# Altium PCB amp.PcbDoc (part 4 of 20)
Units mm, origin at the board's own origin, x right, y up, seen from the top; angles counter-clockwise.
Board outline 210 x 210 mm, 2 copper layers (Top Layer, Bottom Layer); 742 components, 1354 nets, 6402 pads, 5154 vias.
Unrouted connection lines stored in the file: 702.
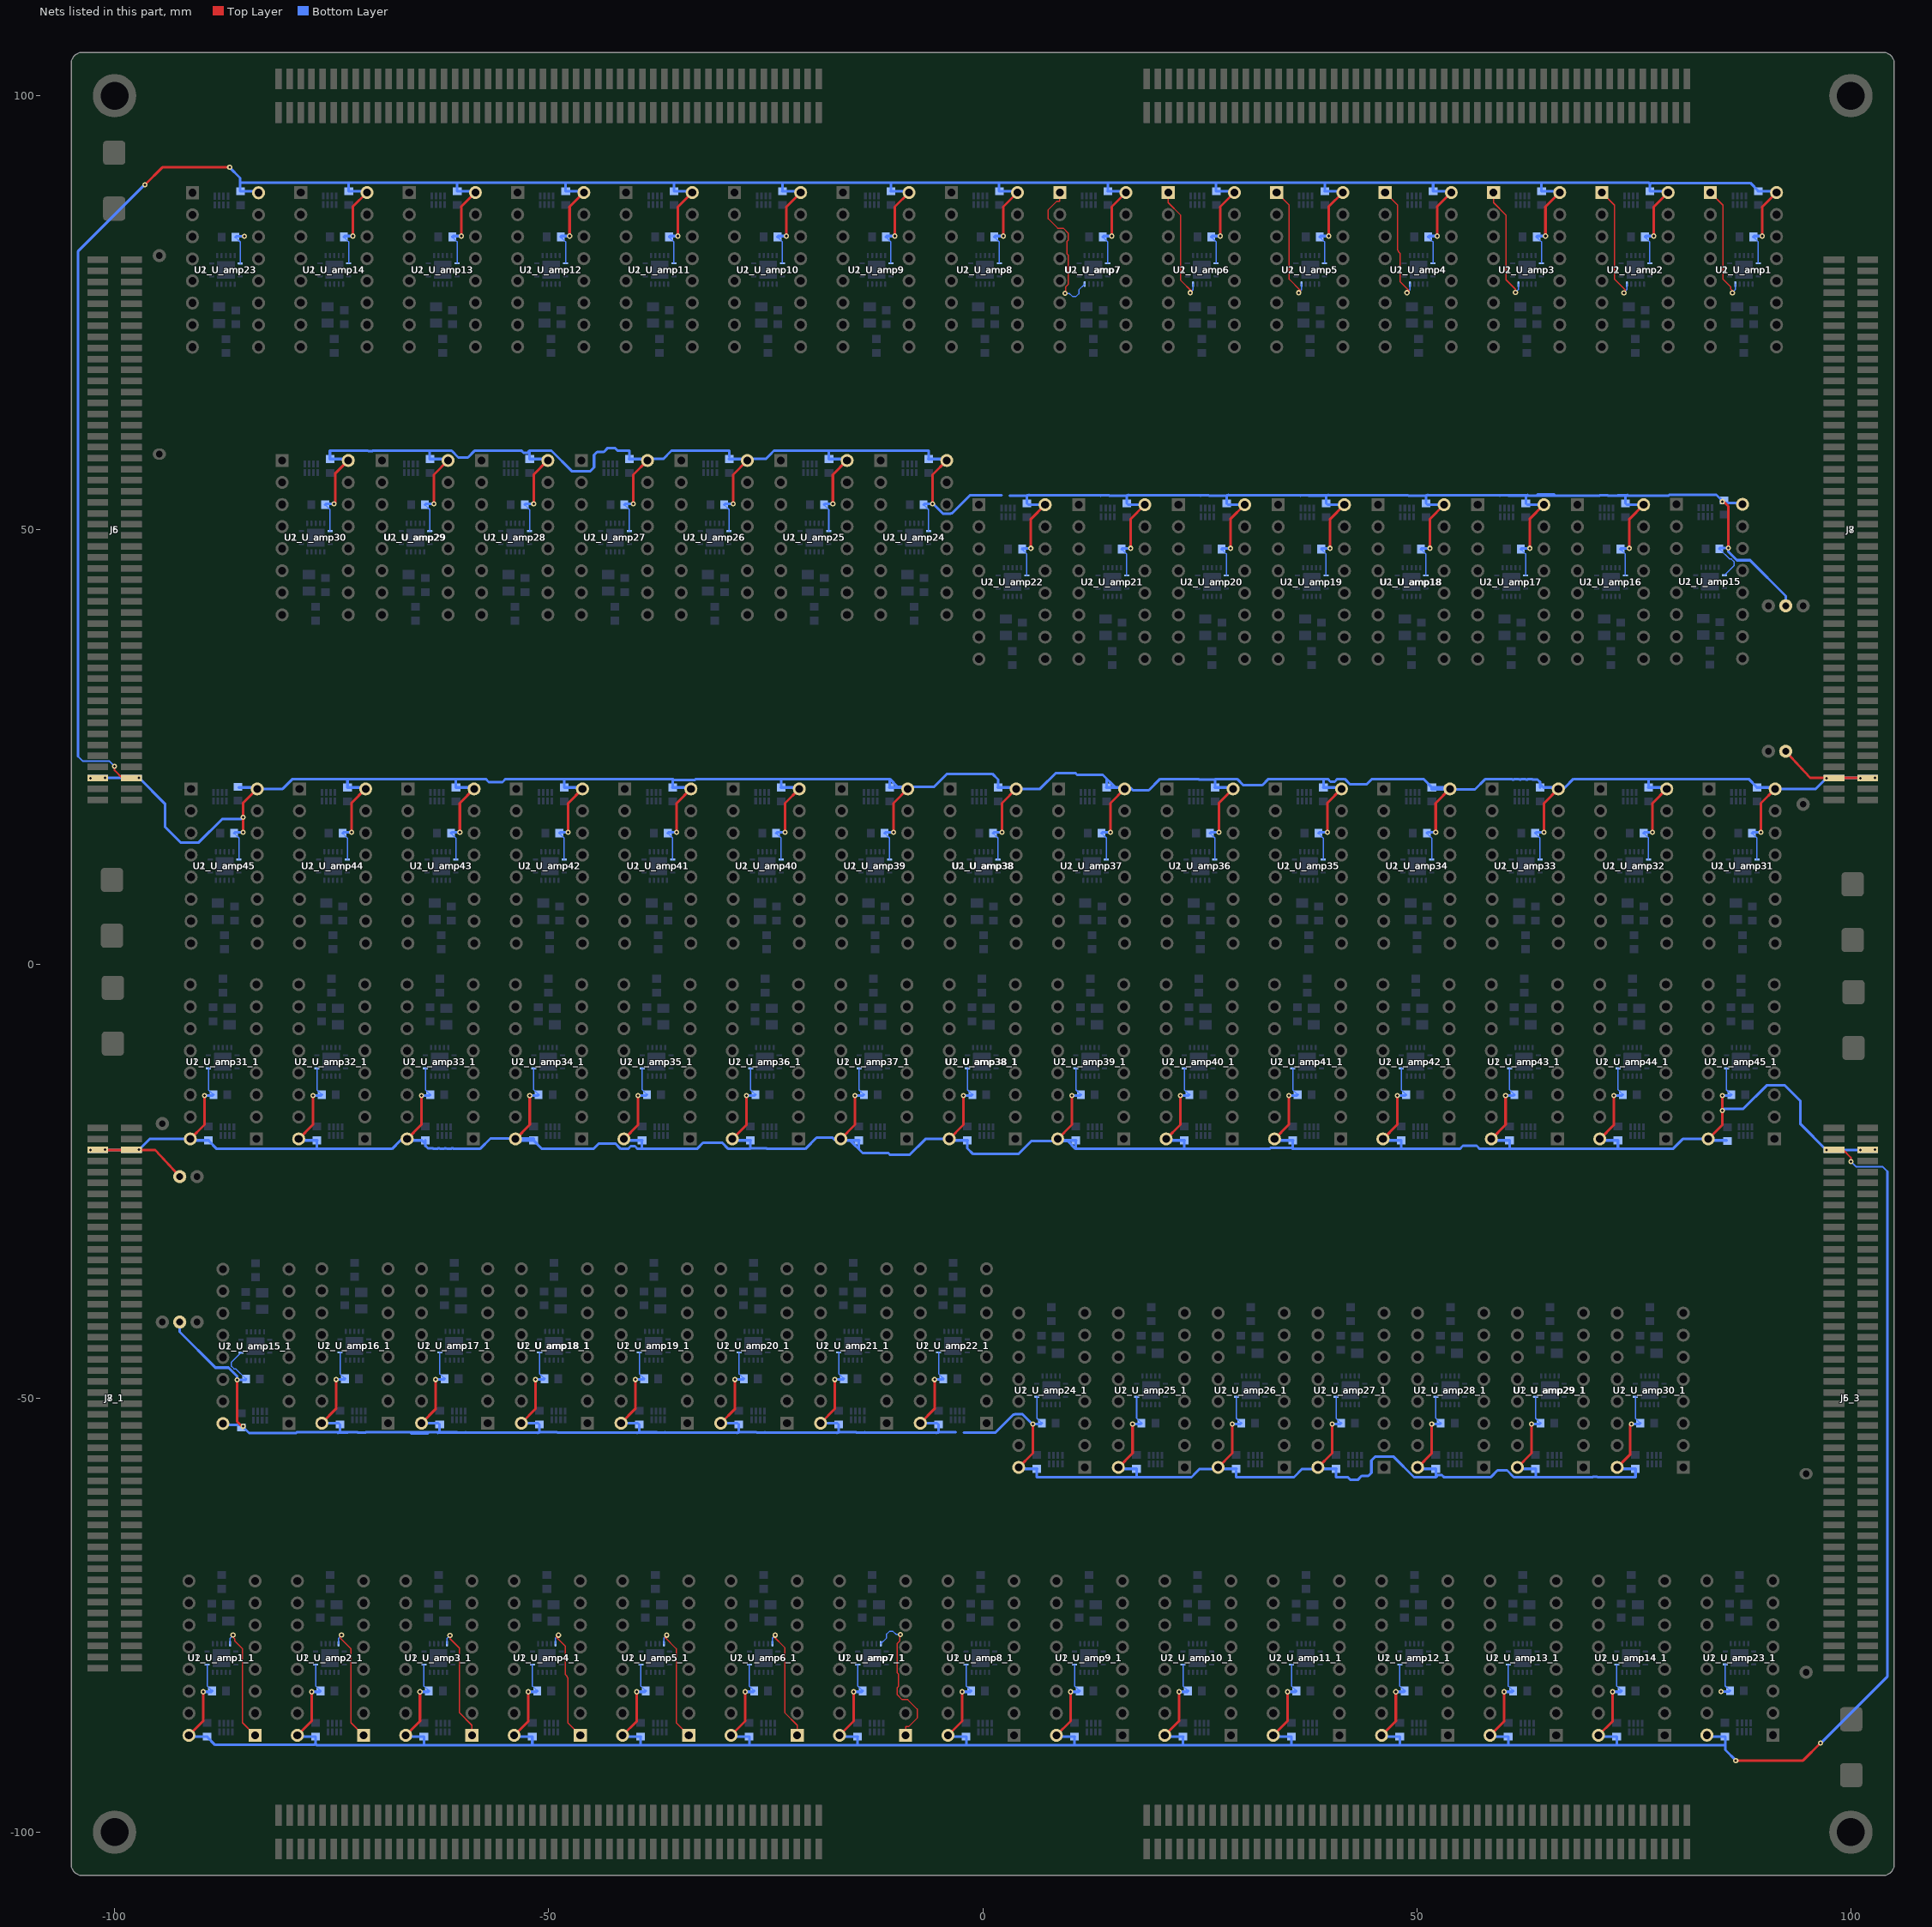
[diagram p4: the nets of this part, all layers, seen from the top]

## Via types
v1: diameter 0.6, hole 0.3, Top Layer to Bottom Layer, tented both sides, 4704 vias
v2: diameter 0.5, hole 0.3, Top Layer to Bottom Layer, 450 vias

## Nets (pads, with @x,y where several pads share a name; then routed paths per layer and width w, separated by ;. In a path a pad name is that pad's centre, name@x,y a point inside that pad or via, vN(x,y) a via of type N, cw(c..) or ccw(c..) an arc to the next point about the centre after c; other vN are vias at no path point) (continued)
5V: C1_U_amp1.2 C1_U_amp1_1.2 C1_U_amp2.2 C1_U_amp2_1.2 C1_U_amp3.2 C1_U_amp3_1.2 C1_U_amp4.2 C1_U_amp4_1.2 C1_U_amp5.2 C1_U_amp5_1.2 C1_U_amp6.2 C1_U_amp6_1.2 C1_U_amp7.2 C1_U_amp7_1.2 C1_U_amp8.2 C1_U_amp8_1.2 C1_U_amp9.2 C1_U_amp9_1.2 C1_U_amp10.2 C1_U_amp10_1.2 C1_U_amp11.2 C1_U_amp11_1.2 C1_U_amp12.2 C1_U_amp12_1.2 C1_U_amp13.2 C1_U_amp13_1.2 C1_U_amp14.2 C1_U_amp14_1.2 C1_U_amp15.2 C1_U_amp15_1.2 C1_U_amp16.2 C1_U_amp16_1.2 C1_U_amp17.2 C1_U_amp17_1.2 C1_U_amp18.2 C1_U_amp18_1.2 C1_U_amp19.2 C1_U_amp19_1.2 C1_U_amp20.2 C1_U_amp20_1.2 C1_U_amp21.2 C1_U_amp21_1.2 C1_U_amp22.2 C1_U_amp22_1.2 C1_U_amp23.2 C1_U_amp23_1.2 C1_U_amp24.2 C1_U_amp24_1.2 C1_U_amp25.2 C1_U_amp25_1.2 C1_U_amp26.2 C1_U_amp26_1.2 C1_U_amp27.2 C1_U_amp27_1.2 C1_U_amp28.2 C1_U_amp28_1.2 C1_U_amp29.2 C1_U_amp29_1.2 C1_U_amp30.2 C1_U_amp30_1.2 C1_U_amp31.2 C1_U_amp31_1.2 C1_U_amp32.2 C1_U_amp32_1.2 C1_U_amp33.2 C1_U_amp33_1.2 C1_U_amp34.2 C1_U_amp34_1.2 C1_U_amp35.2 C1_U_amp35_1.2 C1_U_amp36.2 C1_U_amp36_1.2 C1_U_amp37.2 C1_U_amp37_1.2 C1_U_amp38.2 C1_U_amp38_1.2 C1_U_amp39.2 C1_U_amp39_1.2 C1_U_amp40.2 C1_U_amp40_1.2 C1_U_amp41.2 C1_U_amp41_1.2 C1_U_amp42.2 C1_U_amp42_1.2 C1_U_amp43.2 C1_U_amp43_1.2 C1_U_amp44.2 C1_U_amp44_1.2 C1_U_amp45.2 C1_U_amp45_1.2 C2_U_amp1.2 C2_U_amp1_1.2 C2_U_amp2.2 C2_U_amp2_1.2 C2_U_amp3.2 C2_U_amp3_1.2 C2_U_amp4.2 C2_U_amp4_1.2 C2_U_amp5.2 C2_U_amp5_1.2 C2_U_amp6.2 C2_U_amp6_1.2 C2_U_amp7.2 C2_U_amp7_1.2 C2_U_amp8.2 C2_U_amp8_1.2 C2_U_amp9.2 C2_U_amp9_1.2 C2_U_amp10.2 C2_U_amp10_1.2 C2_U_amp11.2 C2_U_amp11_1.2 C2_U_amp12.2 C2_U_amp12_1.2 C2_U_amp13.2 C2_U_amp13_1.2 C2_U_amp14.2 C2_U_amp14_1.2 C2_U_amp15.2 C2_U_amp15_1.2 C2_U_amp16.2 C2_U_amp16_1.2 C2_U_amp17.2 C2_U_amp17_1.2 C2_U_amp18.2 C2_U_amp18_1.2 C2_U_amp19.2 C2_U_amp19_1.2 C2_U_amp20.2 C2_U_amp20_1.2 C2_U_amp21.2 C2_U_amp21_1.2 C2_U_amp22.2 C2_U_amp22_1.2 C2_U_amp23.2 C2_U_amp23_1.2 C2_U_amp24.2 C2_U_amp24_1.2 C2_U_amp25.2 C2_U_amp25_1.2 C2_U_amp26.2 C2_U_amp26_1.2 C2_U_amp27.2 C2_U_amp27_1.2 C2_U_amp28.2 C2_U_amp28_1.2 C2_U_amp29.2 C2_U_amp29_1.2 C2_U_amp30.2 C2_U_amp30_1.2 C2_U_amp31.2 C2_U_amp31_1.2 C2_U_amp32.2 C2_U_amp32_1.2 C2_U_amp33.2 C2_U_amp33_1.2 C2_U_amp34.2 C2_U_amp34_1.2 C2_U_amp35.2 C2_U_amp35_1.2 C2_U_amp36.2 C2_U_amp36_1.2 C2_U_amp37.2 C2_U_amp37_1.2 C2_U_amp38.2 C2_U_amp38_1.2 C2_U_amp39.2 C2_U_amp39_1.2 C2_U_amp40.2 C2_U_amp40_1.2 C2_U_amp41.2 C2_U_amp41_1.2 C2_U_amp42.2 C2_U_amp42_1.2 C2_U_amp43.2 C2_U_amp43_1.2 C2_U_amp44.2 C2_U_amp44_1.2 C2_U_amp45.2 C2_U_amp45_1.2 J5.5 J5.6 J5_3.5 J5_3.6 J6.5 J6.6 J6_3.5 J6_3.6 J7.5 J7.6 J7_1.5 J7_1.6 J8.5 J8.6 J8_1.5 J8_1.6 pad.2@92.5,41.25 pad.2@-92.5,-41.25 pad.3@92.5,24.5 pad.3@-92.5,-24.5 U1_U_amp1.14 U1_U_amp1_1.14 U1_U_amp2.14 U1_U_amp2_1.14 U1_U_amp3.14 U1_U_amp3_1.14 U1_U_amp4.14 U1_U_amp4_1.14 U1_U_amp5.14 U1_U_amp5_1.14 U1_U_amp6.14 U1_U_amp6_1.14 U1_U_amp7.14 U1_U_amp7_1.14 U1_U_amp8.14 U1_U_amp8_1.14 U1_U_amp9.14 U1_U_amp9_1.14 U1_U_amp10.14 U1_U_amp10_1.14 U1_U_amp11.14 U1_U_amp11_1.14 U1_U_amp12.14 U1_U_amp12_1.14 U1_U_amp13.14 U1_U_amp13_1.14 U1_U_amp14.14 U1_U_amp14_1.14 U1_U_amp15.14 U1_U_amp15_1.14 U1_U_amp16.14 U1_U_amp16_1.14 U1_U_amp17.14 U1_U_amp17_1.14 U1_U_amp18.14 U1_U_amp18_1.14 U1_U_amp19.14 U1_U_amp19_1.14 U1_U_amp20.14 U1_U_amp20_1.14 U1_U_amp21.14 U1_U_amp21_1.14 U1_U_amp22.14 U1_U_amp22_1.14 U1_U_amp23.14 U1_U_amp23_1.14 U1_U_amp24.14 U1_U_amp24_1.14 U1_U_amp25.14 U1_U_amp25_1.14 U1_U_amp26.14 U1_U_amp26_1.14 U1_U_amp27.14 U1_U_amp27_1.14 U1_U_amp28.14 U1_U_amp28_1.14 U1_U_amp29.14 U1_U_amp29_1.14 U1_U_amp30.14 U1_U_amp30_1.14 U1_U_amp31.14 U1_U_amp31_1.14 U1_U_amp32.14 U1_U_amp32_1.14 U1_U_amp33.14 U1_U_amp33_1.14 U1_U_amp34.14 U1_U_amp34_1.14 U1_U_amp35.14 U1_U_amp35_1.14 U1_U_amp36.14 U1_U_amp36_1.14 U1_U_amp37.14 U1_U_amp37_1.14 U1_U_amp38.14 U1_U_amp38_1.14 U1_U_amp39.14 U1_U_amp39_1.14 U1_U_amp40.14 U1_U_amp40_1.14 U1_U_amp41.14 U1_U_amp41_1.14 U1_U_amp42.14 U1_U_amp42_1.14 U1_U_amp43.14 U1_U_amp43_1.14 U1_U_amp44.14 U1_U_amp44_1.14 U1_U_amp45.14 U1_U_amp45_1.14 U2_U_amp1.16 U2_U_amp1_1.16 U2_U_amp2.16 U2_U_amp2_1.16 U2_U_amp3.16 U2_U_amp3_1.16 U2_U_amp4.16 U2_U_amp4_1.16 U2_U_amp5.16 U2_U_amp5_1.16 U2_U_amp6.16 U2_U_amp6_1.16 U2_U_amp7.16 U2_U_amp7_1.16 U2_U_amp8.16 U2_U_amp8_1.16 U2_U_amp9.16 U2_U_amp9_1.16 U2_U_amp10.16 U2_U_amp10_1.16 U2_U_amp11.16 U2_U_amp11_1.16 U2_U_amp12.16 U2_U_amp12_1.16 U2_U_amp13.16 U2_U_amp13_1.16 U2_U_amp14.16 U2_U_amp14_1.16 U2_U_amp15.16 U2_U_amp15_1.16 U2_U_amp16.16 U2_U_amp16_1.16 U2_U_amp17.16 U2_U_amp17_1.16 U2_U_amp18.16 U2_U_amp18_1.16 U2_U_amp19.16 U2_U_amp19_1.16 U2_U_amp20.16 U2_U_amp20_1.16 U2_U_amp21.16 U2_U_amp21_1.16 U2_U_amp22.16 U2_U_amp22_1.16 U2_U_amp23.16 U2_U_amp23_1.16 U2_U_amp24.16 U2_U_amp24_1.16 U2_U_amp25.16 U2_U_amp25_1.16 U2_U_amp26.16 U2_U_amp26_1.16 U2_U_amp27.16 U2_U_amp27_1.16 U2_U_amp28.16 U2_U_amp28_1.16 U2_U_amp29.16 U2_U_amp29_1.16 U2_U_amp30.16 U2_U_amp30_1.16 U2_U_amp31.16 U2_U_amp31_1.16 U2_U_amp32.16 U2_U_amp32_1.16 U2_U_amp33.16 U2_U_amp33_1.16 U2_U_amp34.16 U2_U_amp34_1.16 U2_U_amp35.16 U2_U_amp35_1.16 U2_U_amp36.16 U2_U_amp36_1.16 U2_U_amp37.16 U2_U_amp37_1.16 U2_U_amp38.16 U2_U_amp38_1.16 U2_U_amp39.16 U2_U_amp39_1.16 U2_U_amp40.16 U2_U_amp40_1.16 U2_U_amp41.16 U2_U_amp41_1.16 U2_U_amp42.16 U2_U_amp42_1.16 U2_U_amp43.16 U2_U_amp43_1.16 U2_U_amp44.16 U2_U_amp44_1.16 U2_U_amp45.16 U2_U_amp45_1.16 | length 2506.1
  Top Layer w0.2: v1(-100,22.75) -100,22.3 -99.125,21.425 J5.5@-98.05,21.425 ; J5_3.5@98.05,-21.425 99.125,-21.425 100,-22.3 v1(100,-22.75)
  Top Layer w0.3: J7_1.5@-101.1,-21.425 J7_1.6@-98.05,-21.425 -95.325,-21.425 pad.3@-92.5,-24.5 ; v1(-96.5,89.75) -94.5,91.75 v1(-86.75,91.75) ; U2_U_amp1_1.16@-91.44,-88.85 -89.805,-87.215 v1(-89.805,-83.841) ; U2_U_amp31_1.16@-91.288,-20.163 -89.653,-18.528 v1(-89.653,-15.153) ; v1(-85.893,-47.924) -85.893,-52.715 -85.344,-53.264 v1(-85.192,-53.264) ; v1(-85.21,15.153) -85.2,15.164 -85.2,16.349 -85.21,16.359 v1(-85.21,16.9) -85.21,18.528 U2_U_amp45.16@-83.575,20.163 ; U2_U_amp2_1.16@-78.95,-88.85 -77.315,-87.215 v1(-77.315,-83.841) ; U2_U_amp32_1.16@-78.798,-20.163 -77.162,-18.528 v1(-77.162,-15.153) ; U2_U_amp16_1.16@-76.13,-52.89 -74.495,-51.255 v1(-74.495,-47.88) ; v1(-74.714,52.986) -74.596,53.104 -74.596,56.478 U2_U_amp30.16@-73.078,57.996 ; v1(-72.72,15.153) -72.72,18.528 U2_U_amp44.16@-71.085,20.163 ; v1(-72.568,83.841) -72.568,87.215 U2_U_amp14.16@-70.932,88.85 ; U2_U_amp3_1.16@-66.46,-88.85 -64.825,-87.215 v1(-64.825,-83.841) ; U2_U_amp33_1.16@-66.308,-20.163 -64.672,-18.528 v1(-64.672,-15.153) ; U2_U_amp17_1.16@-64.64,-52.89 -63.005,-51.255 v1(-63.005,-47.88) ; v1(-63.223,52.986) -63.223,56.361 U2_U_amp29.16@-61.588,57.996 ; v1(-60.23,15.153) -60.23,18.528 U2_U_amp43.16@-58.594,20.163 ; v1(-60.077,83.841) -60.077,87.215 U2_U_amp13.16@-58.442,88.85 ; U2_U_amp4_1.16@-53.97,-88.85 -52.334,-87.215 v1(-52.334,-83.841) ; U2_U_amp34_1.16@-53.817,-20.163 -52.182,-18.528 v1(-52.182,-15.153) ; U2_U_amp18_1.16@-53.15,-52.89 -51.514,-51.255 v1(-51.514,-47.88) ; v1(-51.733,52.986) -51.733,56.361 U2_U_amp28.16@-50.098,57.996 ; v1(-47.74,15.153) -47.74,18.528 U2_U_amp42.16@-46.104,20.163 ; v1(-47.587,83.841) -47.587,87.215 U2_U_amp12.16@-45.952,88.85 ; U2_U_amp19_1.16@-41.66,-52.89 -40.024,-51.255 v1(-40.024,-47.88) ; U2_U_amp5_1.16@-41.48,-88.85 -39.844,-87.215 v1(-39.844,-83.841) ; U2_U_amp35_1.16@-41.327,-20.163 -39.692,-18.528 v1(-39.692,-15.153) ; v1(-40.243,52.986) -40.243,56.361 U2_U_amp27.16@-38.608,57.996 ; v1(-35.249,15.153) -35.249,18.528 U2_U_amp41.16@-33.614,20.163 ; v1(-35.097,83.841) -35.097,87.215 U2_U_amp11.16@-33.462,88.85 ; U2_U_amp20_1.16@-30.169,-52.89 -28.534,-51.255 v1(-28.534,-47.88) ; U2_U_amp6_1.16@-28.989,-88.85 -27.354,-87.215 v1(-27.354,-83.841) ; U2_U_amp36_1.16@-28.837,-20.163 -27.202,-18.528 v1(-27.202,-15.153) ; v1(-28.753,52.986) -28.753,56.361 U2_U_amp26.16@-27.117,57.996 ; v1(-22.759,15.153) -22.759,18.528 U2_U_amp40.16@-21.124,20.163 ; v1(-22.607,83.841) -22.607,87.215 U2_U_amp10.16@-20.971,88.85 ; U2_U_amp21_1.16@-18.679,-52.89 -17.044,-51.255 v1(-17.044,-47.88) ; v1(-17.263,52.986) -17.263,56.361 U2_U_amp25.16@-15.627,57.996 ; U2_U_amp7_1.16@-16.499,-88.85 -14.864,-87.215 v1(-14.864,-83.841) ; U2_U_amp37_1.16@-16.347,-20.163 -14.711,-18.528 v1(-14.711,-15.153) ; v1(-10.269,15.153) -10.269,18.528 U2_U_amp39.16@-8.634,20.163 ; v1(-10.117,83.841) -10.117,87.215 U2_U_amp9.16@-8.481,88.85 ; U2_U_amp22_1.16@-7.189,-52.89 -5.554,-51.255 v1(-5.554,-47.88) ; v1(-5.772,52.986) -5.772,56.361 U2_U_amp24.16@-4.137,57.996 ; U2_U_amp8_1.16@-4.009,-88.85 -2.374,-87.215 v1(-2.374,-83.841) ; U2_U_amp38_1.16@-3.857,-20.163 -2.221,-18.528 v1(-2.221,-15.153) ; v1(2.221,15.153) 2.221,18.528 U2_U_amp38.16@3.857,20.163 ; v1(2.374,83.841) 2.374,87.215 U2_U_amp8.16@4.009,88.85 ; U2_U_amp24_1.16@4.137,-57.996 5.772,-56.361 v1(5.772,-52.986) ; v1(5.554,47.88) 5.554,51.255 U2_U_amp22.16@7.189,52.89 ; U2_U_amp9_1.16@8.481,-88.85 10.117,-87.215 v1(10.117,-83.841) ; U2_U_amp39_1.16@8.634,-20.163 10.269,-18.528 v1(10.269,-15.153) ; v1(14.711,15.153) 14.711,18.528 U2_U_amp37.16@16.347,20.163 ; v1(14.864,83.841) 14.864,87.215 U2_U_amp7.16@16.499,88.85 ; U2_U_amp25_1.16@15.627,-57.996 17.263,-56.361 v1(17.263,-52.986) ; v1(17.044,47.88) 17.044,51.255 U2_U_amp21.16@18.679,52.89 ; U2_U_amp10_1.16@20.971,-88.85 22.607,-87.215 v1(22.607,-83.841) ; U2_U_amp40_1.16@21.124,-20.163 22.759,-18.528 v1(22.759,-15.153) ; U2_U_amp26_1.16@27.117,-57.996 28.753,-56.361 v1(28.753,-52.986) ; v1(27.202,15.153) 27.202,18.528 U2_U_amp36.16@28.837,20.163 ; v1(27.354,83.841) 27.354,87.215 U2_U_amp6.16@28.989,88.85 ; v1(28.534,47.88) 28.534,51.255 U2_U_amp20.16@30.169,52.89 ; U2_U_amp11_1.16@33.462,-88.85 35.097,-87.215 v1(35.097,-83.841) ; U2_U_amp41_1.16@33.614,-20.163 35.249,-18.528 v1(35.249,-15.153) ; U2_U_amp27_1.16@38.608,-57.996 40.243,-56.361 v1(40.243,-52.986) ; v1(39.692,15.153) 39.692,18.528 U2_U_amp35.16@41.327,20.163 ; v1(39.844,83.841) 39.844,87.215 U2_U_amp5.16@41.48,88.85 ; v1(40.024,47.88) 40.024,51.255 U2_U_amp19.16@41.66,52.89 ; U2_U_amp12_1.16@45.952,-88.85 47.587,-87.215 v1(47.587,-83.841) ; U2_U_amp42_1.16@46.104,-20.163 47.74,-18.528 v1(47.74,-15.153) ; U2_U_amp28_1.16@50.098,-57.996 51.733,-56.361 v1(51.733,-52.986) ; v1(51.514,47.88) 51.514,51.255 U2_U_amp18.16@53.15,52.89 ; v1(52.182,15.153) 52.182,18.528 U2_U_amp34.16@53.817,20.163 ; v1(52.334,83.841) 52.334,87.215 U2_U_amp4.16@53.97,88.85 ; U2_U_amp13_1.16@58.442,-88.85 60.077,-87.215 v1(60.077,-83.841) ; U2_U_amp43_1.16@58.594,-20.163 60.23,-18.528 v1(60.23,-15.153) ; U2_U_amp29_1.16@61.588,-57.996 63.223,-56.361 v1(63.223,-52.986) ; v1(63.005,47.88) 63.005,51.255 U2_U_amp17.16@64.64,52.89 ; v1(64.672,15.153) 64.672,18.528 U2_U_amp33.16@66.308,20.163 ; v1(64.825,83.841) 64.825,87.215 U2_U_amp3.16@66.46,88.85 ; U2_U_amp14_1.16@70.932,-88.85 72.568,-87.215 v1(72.568,-83.841) ; U2_U_amp44_1.16@71.085,-20.163 72.72,-18.528 v1(72.72,-15.153) ; U2_U_amp30_1.16@73.078,-57.996 74.596,-56.478 74.596,-53.104 v1(74.714,-52.986) ; v1(74.495,47.88) 74.495,51.255 U2_U_amp16.16@76.13,52.89 ; v1(77.162,15.153) 77.162,18.528 U2_U_amp32.16@78.798,20.163 ; v1(77.315,83.841) 77.315,87.215 U2_U_amp2.16@78.95,88.85 ; U2_U_amp45_1.16@83.575,-20.163 85.21,-18.528 v1(85.21,-16.9) 85.21,-16.359 85.2,-16.349 85.2,-15.164 v1(85.21,-15.153) ; v1(85.192,53.264) 85.344,53.264 85.893,52.715 v1(85.893,47.924) ; v1(86.75,-91.75) 94.5,-91.75 v1(96.5,-89.75) ; v1(89.653,15.153) 89.653,18.528 U2_U_amp31.16@91.288,20.163 ; v1(89.805,83.841) 89.805,87.215 U2_U_amp1.16@91.44,88.85 ; pad.3@92.5,24.5 95.325,21.425 J7.6@98.05,21.425 J7.5@101.1,21.425
  Bottom Layer w0.15: U1_U_amp1_1.14@-89.337,-80.705 -89.337,-83.178 C2_U_amp1_1.2@-88.776,-83.739 ; U1_U_amp31_1.14@-89.185,-12.018 -89.185,-14.491 C2_U_amp31_1.2@-88.624,-15.052 ; C2_U_amp45.2@-86.239,15.052 -85.678,14.491 U1_U_amp45.14@-85.678,12.018 ; C2_U_amp23.2@-86.085,83.719 -85.524,83.157 U1_U_amp23.14@-85.524,80.685 ; U1_U_amp15_1.14@-85.425,-44.789 -85.46,-44.789 -86.555,-45.884 -86.555,-46.318 -86.247,-46.626 -86.06,-46.626 C2_U_amp15_1.2@-84.864,-47.822 ; U1_U_amp2_1.14@-76.847,-80.705 -76.847,-83.178 C2_U_amp2_1.2@-76.286,-83.739 ; U1_U_amp32_1.14@-76.695,-12.018 -76.695,-14.491 C2_U_amp32_1.2@-76.134,-15.052 ; C2_U_amp30.2@-75.742,52.885 -75.181,52.323 U1_U_amp30.14@-75.181,49.851 ; U1_U_amp16_1.14@-74.027,-44.745 -74.027,-47.218 C2_U_amp16_1.2@-73.466,-47.779 ; C2_U_amp44.2@-73.749,15.052 -73.188,14.491 U1_U_amp44.14@-73.188,12.018 ; C2_U_amp14.2@-73.596,83.739 -73.035,83.178 U1_U_amp14.14@-73.035,80.705 ; U1_U_amp3_1.14@-64.357,-80.705 -64.357,-83.178 C2_U_amp3_1.2@-63.796,-83.739 ; C2_U_amp29.2@-64.252,52.885 -63.691,52.323 U1_U_amp29.14@-63.691,49.851 ; U1_U_amp33_1.14@-64.205,-12.018 -64.205,-14.491 C2_U_amp33_1.2@-63.643,-15.052 ; U1_U_amp17_1.14@-62.537,-44.745 -62.537,-47.218 C2_U_amp17_1.2@-61.976,-47.779 ; C2_U_amp43.2@-61.259,15.052 -60.697,14.491 U1_U_amp43.14@-60.697,12.018 ; C2_U_amp13.2@-61.106,83.739 -60.545,83.178 U1_U_amp13.14@-60.545,80.705 ; C2_U_amp28.2@-52.762,52.885 -52.201,52.323 U1_U_amp28.14@-52.201,49.851 ; U1_U_amp4_1.14@-51.867,-80.705 -51.867,-83.178 C2_U_amp4_1.2@-51.306,-83.739 ; U1_U_amp34_1.14@-51.714,-12.018 -51.714,-14.491 C2_U_amp34_1.2@-51.153,-15.052 ; U1_U_amp18_1.14@-51.047,-44.745 -51.047,-47.218 C2_U_amp18_1.2@-50.486,-47.779 ; C2_U_amp42.2@-48.768,15.052 -48.207,14.491 U1_U_amp42.14@-48.207,12.018 ; C2_U_amp12.2@-48.616,83.739 -48.055,83.178 U1_U_amp12.14@-48.055,80.705 ; C2_U_amp27.2@-41.272,52.885 -40.711,52.323 U1_U_amp27.14@-40.711,49.851 ; U1_U_amp19_1.14@-39.557,-44.745 -39.557,-47.218 C2_U_amp19_1.2@-38.995,-47.779 ; U1_U_amp5_1.14@-39.377,-80.705 -39.377,-83.178 C2_U_amp5_1.2@-38.815,-83.739 ; U1_U_amp35_1.14@-39.224,-12.018 -39.224,-14.491 C2_U_amp35_1.2@-38.663,-15.052 ; C2_U_amp41.2@-36.278,15.052 -35.717,14.491 U1_U_amp41.14@-35.717,12.018 ; C2_U_amp11.2@-36.126,83.739 -35.565,83.178 U1_U_amp11.14@-35.565,80.705 ; C2_U_amp26.2@-29.782,52.885 -29.22,52.323 U1_U_amp26.14@-29.22,49.851 ; U1_U_amp20_1.14@-28.066,-44.745 -28.066,-47.218 C2_U_amp20_1.2@-27.505,-47.779 ; U1_U_amp6_1.14@-26.887,-80.705 -26.886,-83.178 C2_U_amp6_1.2@-26.325,-83.739 ; U1_U_amp36_1.14@-26.734,-12.018 -26.734,-14.491 C2_U_amp36_1.2@-26.173,-15.052 ; C2_U_amp40.2@-23.788,15.052 -23.227,14.491 U1_U_amp40.14@-23.227,12.018 ; C2_U_amp10.2@-23.636,83.739 -23.074,83.178 U1_U_amp10.14@-23.074,80.705 ; C2_U_amp25.2@-18.291,52.885 -17.73,52.323 U1_U_amp25.14@-17.73,49.851 ; U1_U_amp21_1.14@-16.576,-44.745 -16.576,-47.218 C2_U_amp21_1.2@-16.015,-47.779 ; U1_U_amp7_1.14@-14.396,-80.705 -14.396,-83.178 C2_U_amp7_1.2@-13.835,-83.739 ; U1_U_amp37_1.14@-14.244,-12.018 -14.244,-14.491 C2_U_amp37_1.2@-13.683,-15.052 ; C2_U_amp39.2@-11.298,15.052 -10.737,14.491 U1_U_amp39.14@-10.737,12.018 ; C2_U_amp9.2@-11.145,83.739 -10.584,83.178 U1_U_amp9.14@-10.584,80.705 ; C2_U_amp24.2@-6.801,52.885 -6.24,52.323 U1_U_amp24.14@-6.24,49.851 ; U1_U_amp22_1.14@-5.086,-44.745 -5.086,-47.218 C2_U_amp22_1.2@-4.525,-47.779 ; U1_U_amp8_1.14@-1.906,-80.705 -1.906,-83.178 C2_U_amp8_1.2@-1.345,-83.739 ; U1_U_amp38_1.14@-1.754,-12.018 -1.754,-14.491 C2_U_amp38_1.2@-1.192,-15.052 ; C2_U_amp38.2@1.192,15.052 1.754,14.491 U1_U_amp38.14@1.754,12.018 ; C2_U_amp8.2@1.345,83.739 1.906,83.178 U1_U_amp8.14@1.906,80.705 ; C2_U_amp22.2@4.525,47.779 5.086,47.218 U1_U_amp22.14@5.086,44.745 ; U1_U_amp24_1.14@6.24,-49.851 6.24,-52.323 C2_U_amp24_1.2@6.801,-52.885 ; U1_U_amp9_1.14@10.584,-80.705 10.584,-83.178 C2_U_amp9_1.2@11.145,-83.739 ; U1_U_amp39_1.14@10.737,-12.018 10.737,-14.491 C2_U_amp39_1.2@11.298,-15.052 ; C2_U_amp37.2@13.683,15.052 14.244,14.491 U1_U_amp37.14@14.244,12.018 ; C2_U_amp7.2@13.835,83.739 14.396,83.178 U1_U_amp7.14@14.396,80.705 ; C2_U_amp21.2@16.015,47.779 16.576,47.218 U1_U_amp21.14@16.576,44.745 ; U1_U_amp25_1.14@17.73,-49.851 17.73,-52.323 C2_U_amp25_1.2@18.291,-52.885 ; U1_U_amp10_1.14@23.074,-80.705 23.074,-83.178 C2_U_amp10_1.2@23.636,-83.739 ; U1_U_amp40_1.14@23.227,-12.018 23.227,-14.491 C2_U_amp40_1.2@23.788,-15.052 ; C2_U_amp36.2@26.173,15.052 26.734,14.491 U1_U_amp36.14@26.734,12.018 ; C2_U_amp6.2@26.325,83.739 26.886,83.178 U1_U_amp6.14@26.887,80.705 ; C2_U_amp20.2@27.505,47.779 28.066,47.218 U1_U_amp20.14@28.066,44.745 ; U1_U_amp26_1.14@29.22,-49.851 29.22,-52.323 C2_U_amp26_1.2@29.782,-52.885 ; U1_U_amp11_1.14@35.565,-80.705 35.565,-83.178 C2_U_amp11_1.2@36.126,-83.739 ; U1_U_amp41_1.14@35.717,-12.018 35.717,-14.491 C2_U_amp41_1.2@36.278,-15.052 ; C2_U_amp35.2@38.663,15.052 39.224,14.491 U1_U_amp35.14@39.224,12.018 ; C2_U_amp5.2@38.815,83.739 39.377,83.178 U1_U_amp5.14@39.377,80.705 ; C2_U_amp19.2@38.995,47.779 39.557,47.218 U1_U_amp19.14@39.557,44.745 ; U1_U_amp27_1.14@40.711,-49.851 40.711,-52.323 C2_U_amp27_1.2@41.272,-52.885 ; U1_U_amp12_1.14@48.055,-80.705 48.055,-83.178 C2_U_amp12_1.2@48.616,-83.739 ; U1_U_amp42_1.14@48.207,-12.018 48.207,-14.491 C2_U_amp42_1.2@48.768,-15.052 ; C2_U_amp18.2@50.486,47.779 51.047,47.218 U1_U_amp18.14@51.047,44.745 ; C2_U_amp34.2@51.153,15.052 51.714,14.491 U1_U_amp34.14@51.714,12.018 ; C2_U_amp4.2@51.306,83.739 51.867,83.178 U1_U_amp4.14@51.867,80.705 ; U1_U_amp28_1.14@52.201,-49.851 52.201,-52.323 C2_U_amp28_1.2@52.762,-52.885 ; U1_U_amp13_1.14@60.545,-80.705 60.545,-83.178 C2_U_amp13_1.2@61.106,-83.739 ; U1_U_amp43_1.14@60.697,-12.018 60.697,-14.491 C2_U_amp43_1.2@61.259,-15.052 ; C2_U_amp17.2@61.976,47.779 62.537,47.218 U1_U_amp17.14@62.537,44.745 ; C2_U_amp33.2@63.643,15.052 64.205,14.491 U1_U_amp33.14@64.205,12.018 ; U1_U_amp29_1.14@63.691,-49.851 63.691,-52.323 C2_U_amp29_1.2@64.252,-52.885 ; C2_U_amp3.2@63.796,83.739 64.357,83.178 U1_U_amp3.14@64.357,80.705 ; U1_U_amp14_1.14@73.035,-80.705 73.035,-83.178 C2_U_amp14_1.2@73.596,-83.739 ; U1_U_amp44_1.14@73.188,-12.018 73.188,-14.491 C2_U_amp44_1.2@73.749,-15.052 ; C2_U_amp16.2@73.466,47.779 74.027,47.218 U1_U_amp16.14@74.027,44.745 ; U1_U_amp30_1.14@75.181,-49.851 75.181,-52.323 C2_U_amp30_1.2@75.742,-52.885 ; C2_U_amp32.2@76.134,15.052 76.695,14.491 U1_U_amp32.14@76.695,12.018 ; C2_U_amp2.2@76.286,83.739 76.847,83.178 U1_U_amp2.14@76.847,80.705 ; C2_U_amp15.2@84.864,47.822 86.06,46.626 86.247,46.626 86.555,46.318 86.555,45.884 85.46,44.789 U1_U_amp15.14@85.425,44.789 ; U1_U_amp23_1.14@85.524,-80.685 85.524,-83.157 C2_U_amp23_1.2@86.085,-83.719 ; U1_U_amp45_1.14@85.678,-12.018 85.678,-14.491 C2_U_amp45_1.2@86.239,-15.052 ; C2_U_amp31.2@88.624,15.052 89.185,14.491 U1_U_amp31.14@89.185,12.018 ; C2_U_amp1.2@88.776,83.739 89.337,83.178 U1_U_amp1.14@89.337,80.705
  Bottom Layer w0.2: -104.2,23.9 -103.645,23.345 -100.595,23.345 v1(-100,22.75) ; v1(100,-22.75) 100.595,-23.345 103.645,-23.345 104.2,-23.9